# Altium PCB R3P900.PcbDoc
Units mil, origin at the board's own origin, x right, y up, seen from the top; angles counter-clockwise.
Board outline 3937.01 x 3937.01 mil, 2 copper layers (Top Layer, Bottom Layer); 70 components, 44 nets, 217 pads, 57 vias.
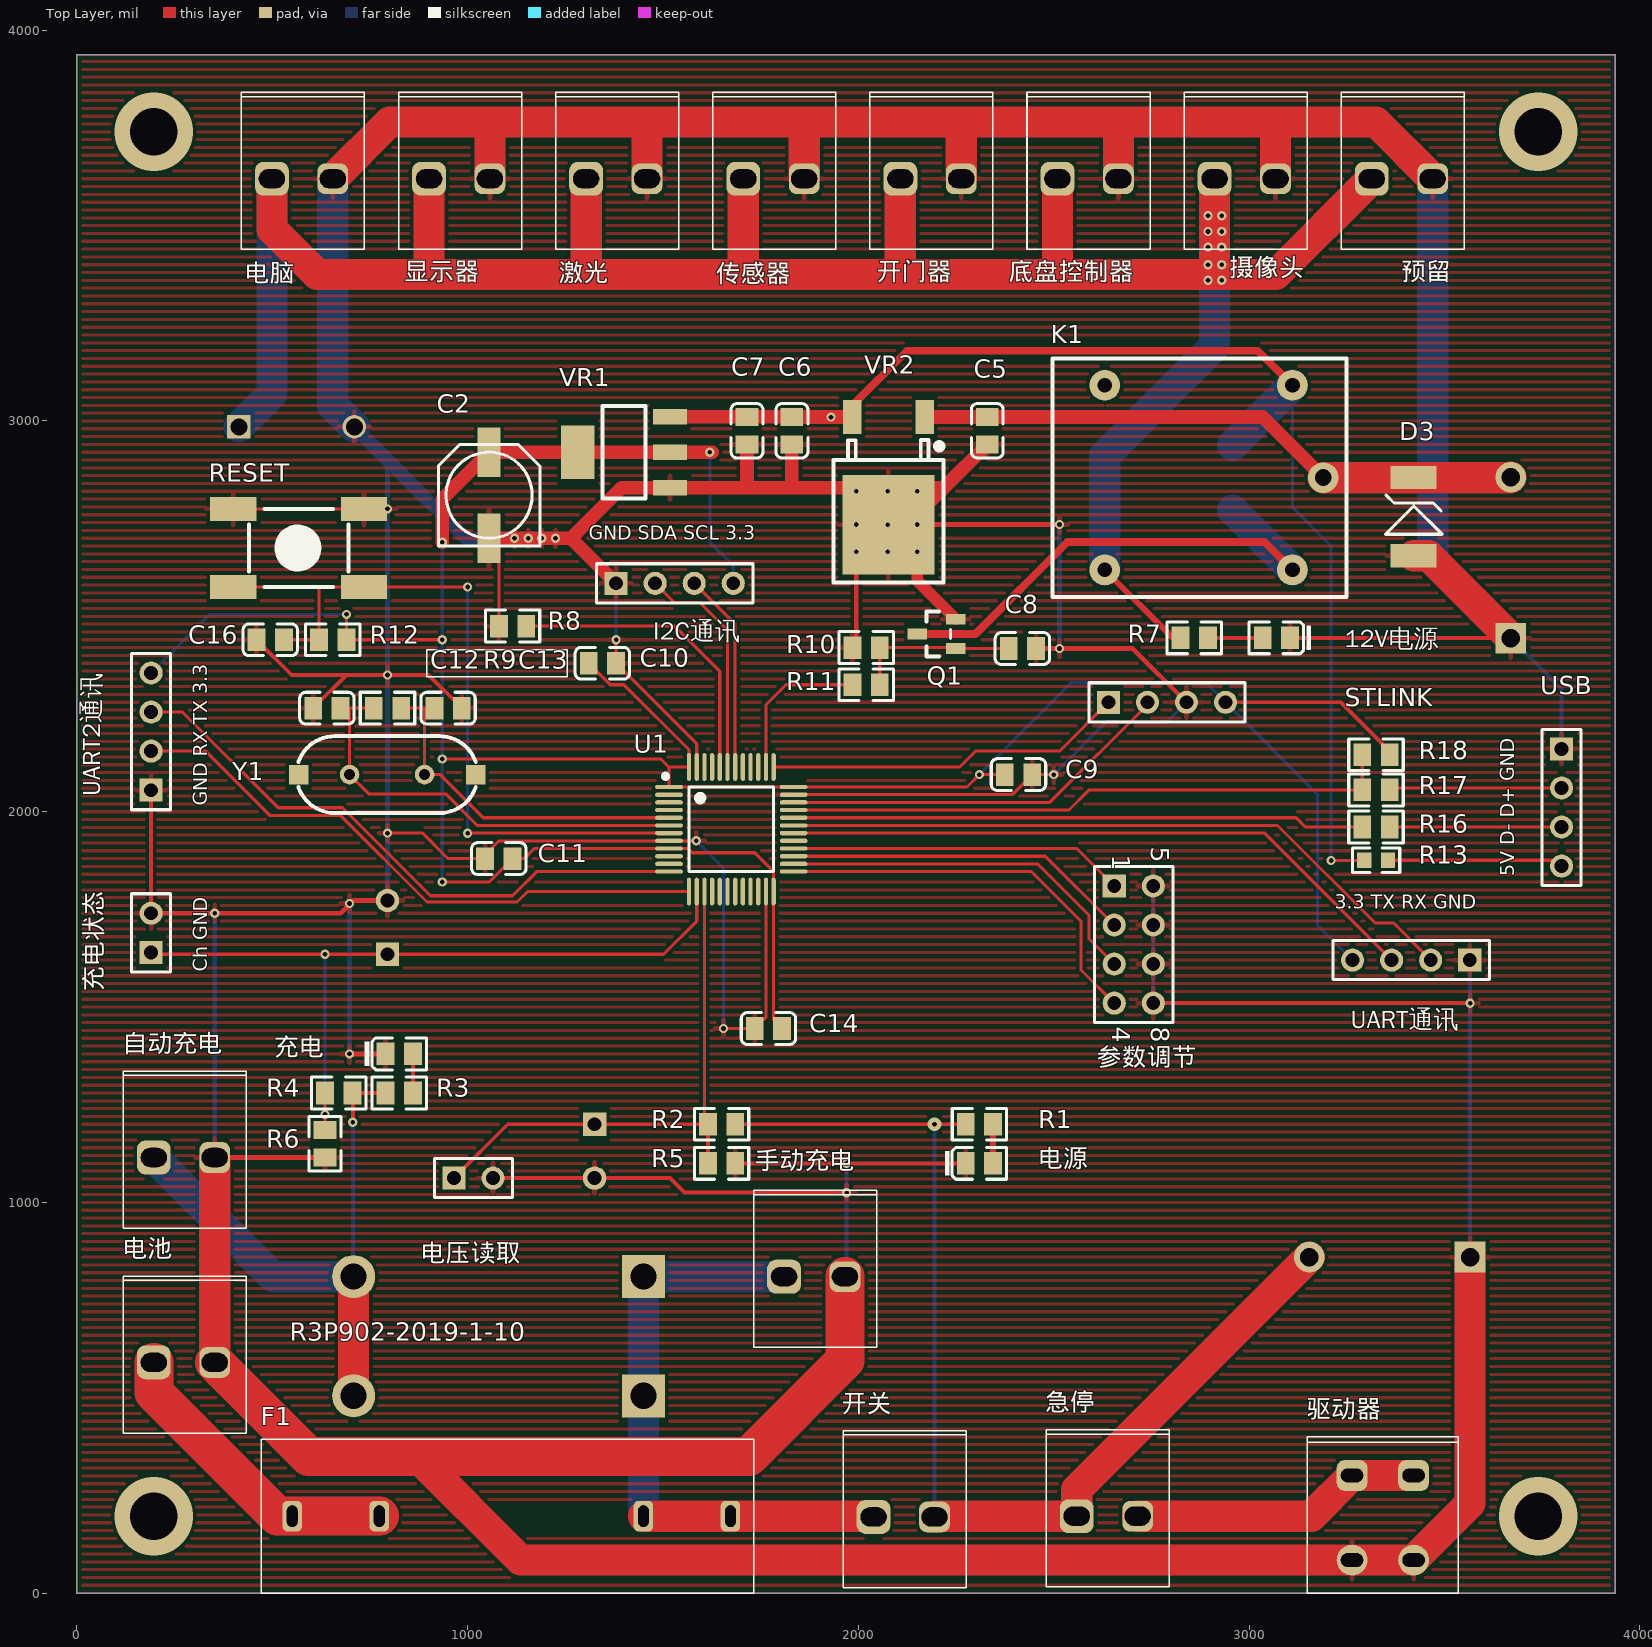
[diagram p0: Top Layer view]
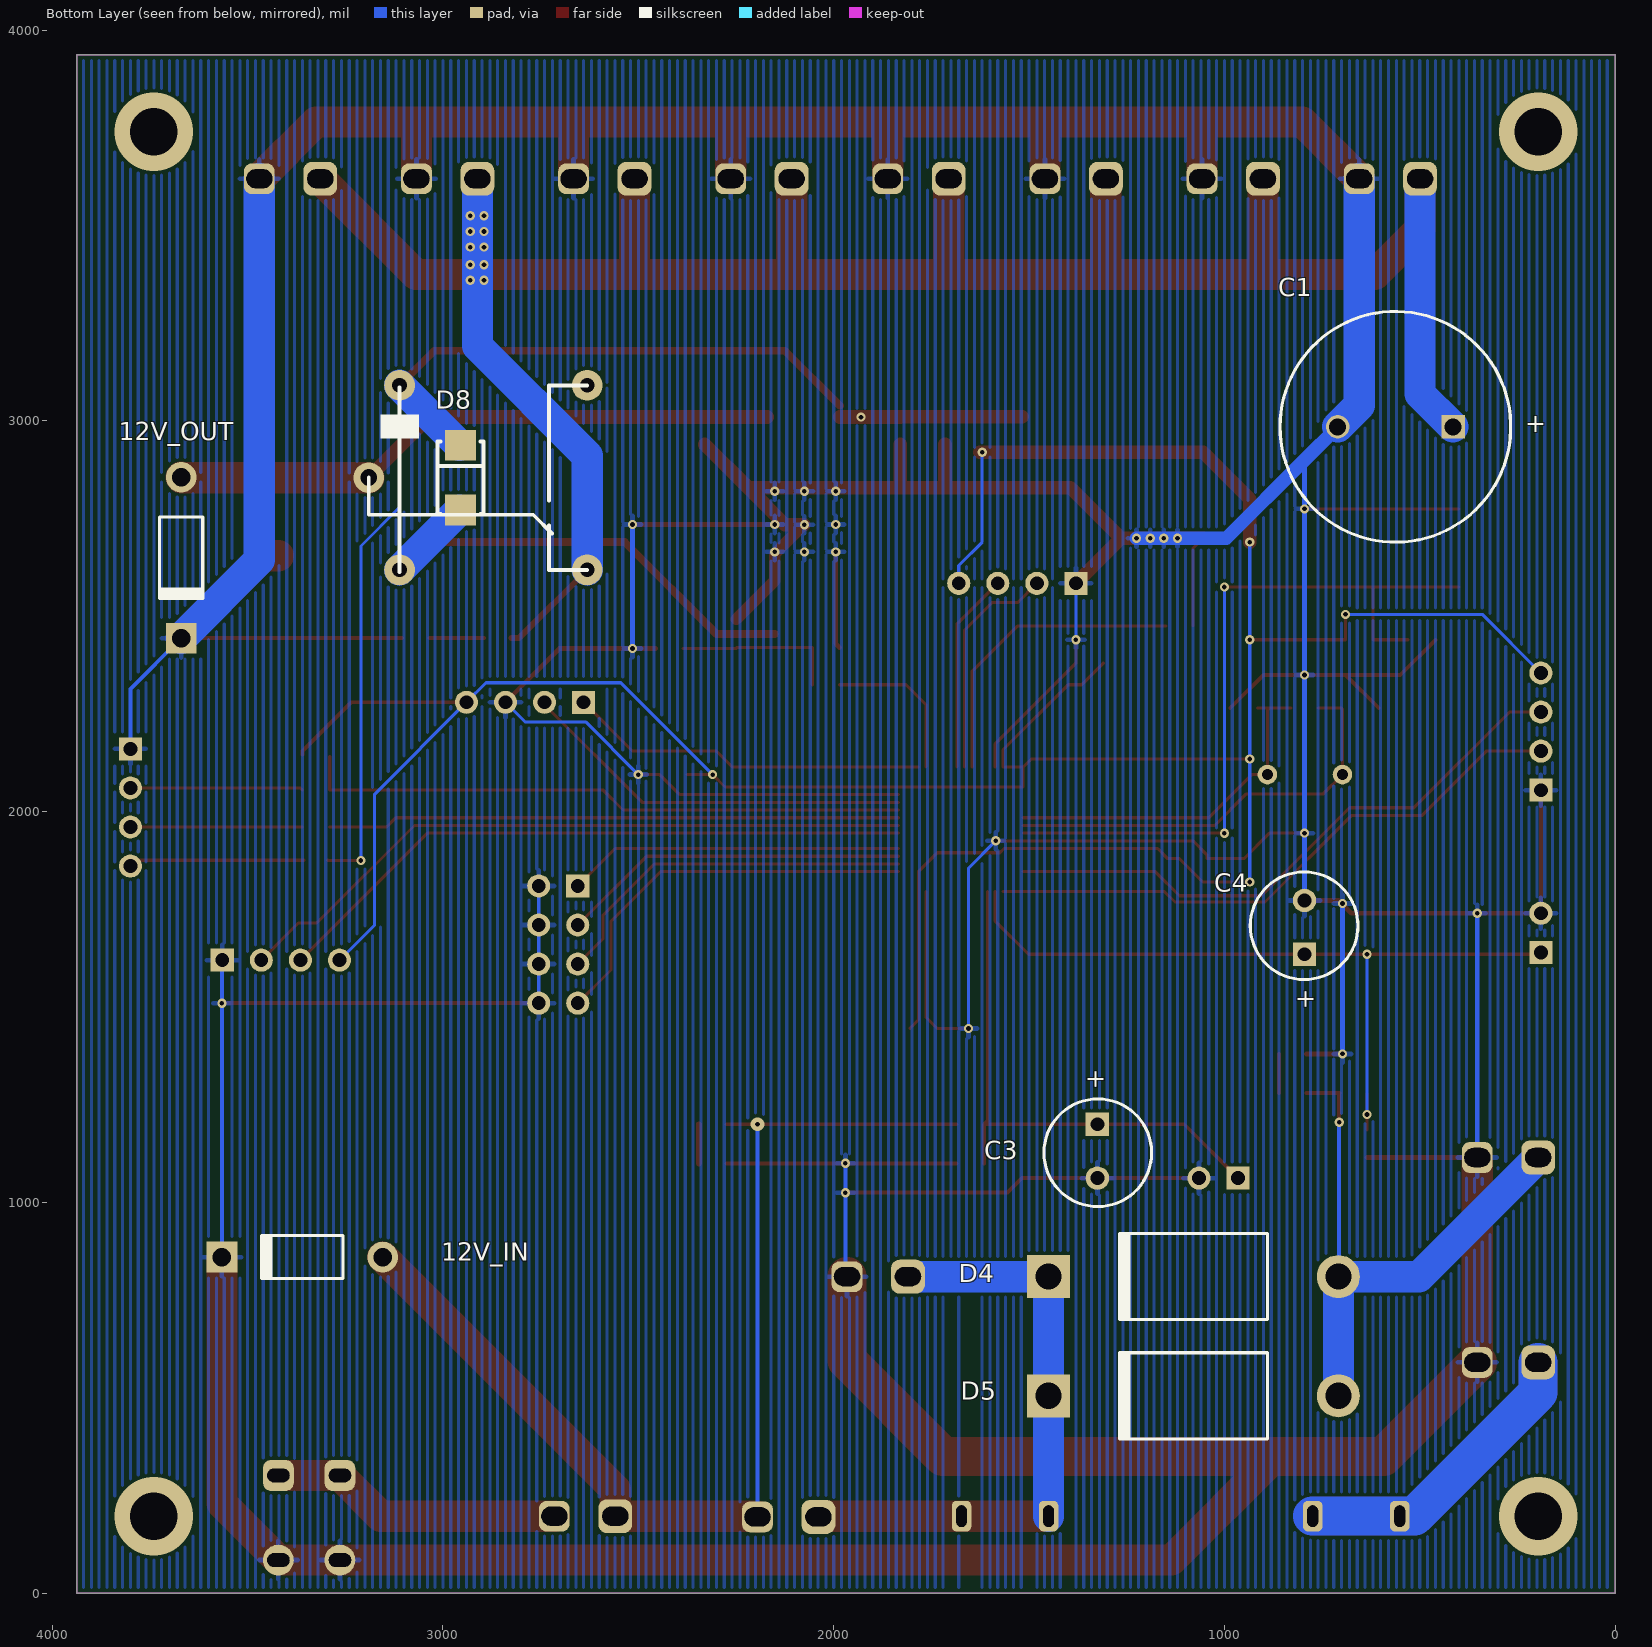
[diagram p1: Bottom Layer view, seen from below]
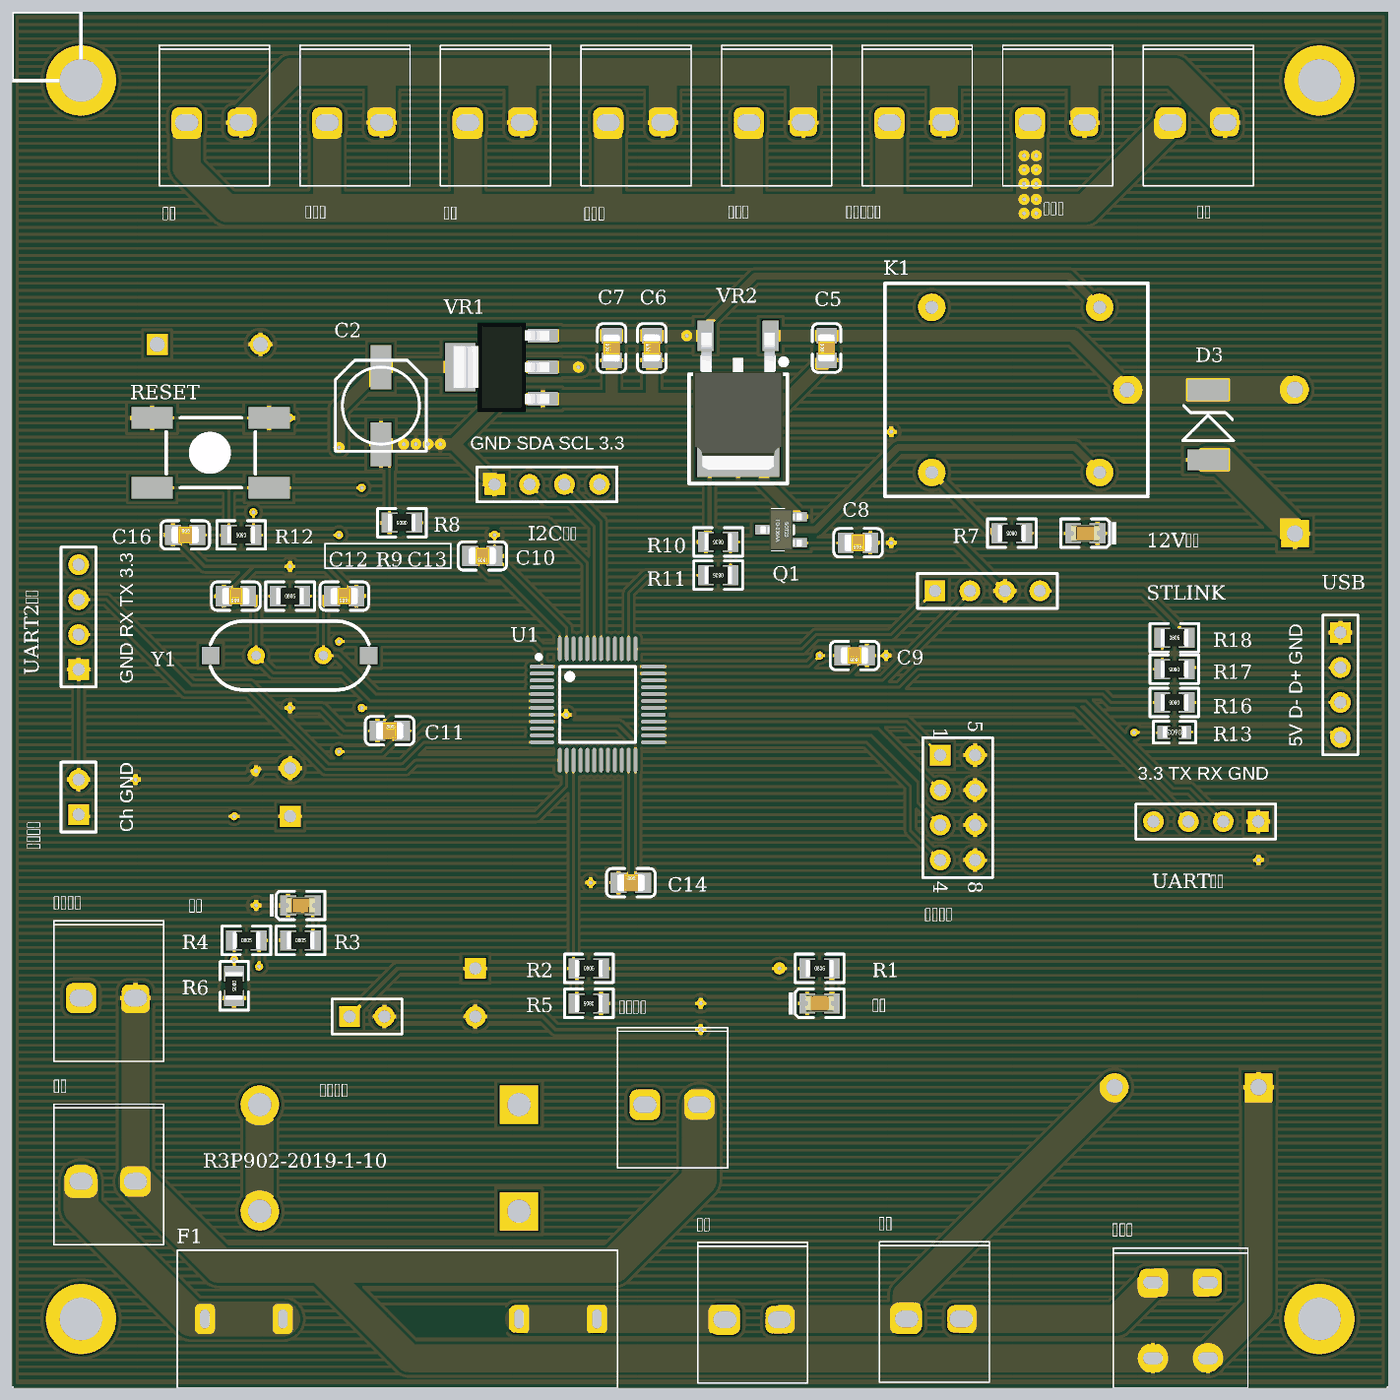
[diagram p2: 3D render of the assembled board from above, using the file's embedded part models]

## Layer stack, top to bottom
Top Solder: solder mask 0.4, Solder Resist, Dk 3.5
Top Layer: signal copper 1.4
Dielectric 1: dielectric 12.6, FR-4, Dk 4.8
Bottom Layer: signal copper 1.4
Bottom Solder: solder mask 0.4, Solder Resist, Dk 3.5

## Board outline
0,0 0,3937.01 3937.01,3937.01 3937.01,0

## Design rules (kind name [scope] priority, off if disabled: settings)
Clearance [All] p1: gap=8 ignorepadtopadclearanceinfootprint=FALSE
PlaneClearance [All] p1: clearance=50
PolygonConnect [All] p1: connectstyle=Relief reliefconductorwidth=12 reliefentries=4 polygonreliefangle="90 Angle" airgapwidth=10
RoutingVias [All] p1: holewidth=28 width=50 viastyle="Through Hole" minholewidth=28 minwidth=50 maxholewidth=28 maxwidth=50
SolderMaskExpansion [All] p1: expansion=4
Width [All] p1: maxlimit=200 minlimit=8 preferedwidth=50
29 further rules are at their usual default settings.

## Components (designator, comment, footprint, x,y, rotation, side; value= is the part's Value field where it differs from the comment)
12V_IN "Diode 11DQ03" DO-204AL 3360,860 r0 bottom locked
12V_OUT "Diode 11DQ03" DO-204AL 3670,2650 r270 bottom locked
12V电源 "红灯 0805" LC-0805_LED_S1 3070,2445 r180 top locked
C1 "Cap" Cap-DIP-10.0 414.72,2985 r180 bottom locked
C2 "22uF" CC6.56.5 1055,2810 r270 top locked
C3 "Cap" CAP-DIP-3.5 1325,1200 r90 bottom locked
C4 "Cap" CAP-DIP-3.5 795,1635 r270 bottom locked
C5 "330nF (334) 10% 50V" LC-0805_C 2330,2975 r90 top locked
C6 "100nF(104) 10% 50V" LC-0805_C 1830,2975 r90 top locked
C7 "10uF (106) 10% 25V" LC-0805_C 1715,2974.8 r90 top locked
C8 "1uF (105) 10% 50V" LC-0805_C 2420.04,2417.6 r180 top locked
C9 "1uF (105) 10% 50V" LC-0805_C 2410,2095 r180 top locked
C10 "100nF(104) 10% 50V" LC-0805_C 1345,2380 r180 top locked
C11 "100nF(104) 10% 50V" LC-0805_C 1080,1880 r0 top locked
C12 "22pF (220) 5% 50V" LC-0805_C 639.96,2265 r180 top locked
C13 "22pF (220) 5% 50V" LC-0805_C 950,2265 r180 top locked
C14 "100nF(104) 10% 50V" LC-0805_C 1770,1445 r0 top locked
C16 "100nF(104) 10% 50V" LC-0805_C 494.96,2440 r0 top locked
D3 "SMBJ12A" SMBJ 3421.26,2750 r90 top locked
D4 "Diode 1N5408" DO-201AD 1079.13,810 r0 bottom locked
D5 "Diode 1N5408" DO-201AD 1079.13,505 r0 bottom locked
D8 "SS210" LC-SMA(DO-214AC)_S1 2955,2855 r270 bottom locked
F1 "Fuse" Fuse 472.44,0 r0 top locked
I2C通讯 "Header 4" HDR1X4 1380,2584.53 r0 top locked (schematic designator I2CͨѶ)
K1 "Relay" JDQ-SRD-5DC 2875,2855 r90 top locked
Q1 "SS8050 Y1" LC-SOT-23(SOT-23-3) 2200,2455 r0 top locked
R1 "20KΩ (2002) ±1%" LC-0805_R 2310.04,1200 r0 top locked
R2 "50KΩ (5002) ±1%" LC-0805_R 1650,1200 r0 top locked
R3 "20KΩ (2002) ±1%" LC-0805_R 825,1279.96 r0 top locked
R4 "50KΩ (5002) ±1%" LC-0805_R 670,1280 r0 top locked
R5 "10KΩ (1002) ±1%" LC-0805_R 1650,1100 r180 top locked
R6 "10KΩ (1002) ±1%" LC-0805_R 635,1150 r270 top locked
R7 "10KΩ (1002) ±1%" LC-0805_R 2860,2445 r180 top locked
R8 "10KΩ (1002) ±1%" LC-0805_R 1115,2475 r180 top locked
R9 "10MΩ (1005) ±1%" LC-0805_R 794.96,2265 r0 top locked
R10 "10KΩ (1002) ±1%" LC-0805_R 2020,2420 r180 top locked
R11 "1KΩ (1001) ±1%" LC-0805_R 2020,2325 r180 top locked
R12 "10KΩ (1002) ±1%" LC-0805_R 655,2440 r180 top locked
R13 "0Ω (0R0) ±1%" LC-0603_R 3325.32,1875.79 r180 top locked
R16 "10Ω (10R0) ±1%" LC-0805_R 3325,1960.79 r180 top locked
R17 "10Ω (10R0) ±1%" LC-0805_R 3325,2055.79 r180 top locked
R18 "1.5KΩ (1501) ±1%" LC-0805_R 3325,2145.79 r0 top locked
RESET "KEY_M" KEY_M 735,2575 r180 top locked
STLINK "Header 4" HDR1X4 2640,2280 r0 top locked
U1 "STM32F103C8T6" LC-LQFP-48_7x7x05P 1675,1955 r270 top locked
UART2通讯 "Header 4" HDR1X4 190,2055 r90 top locked (schematic designator UART2ͨѶ)
UART通讯 "Header 4" HDR1X4 3565,1620 r180 top locked (schematic designator UARTͨѶ)
USB "Header 4" HDR1X4 3800,2160.79 r270 top locked
VR1 "AMS1117-3.3" LC-SOT-223 1400,2920 r0 top locked
VR2 "L78M05ABDT-TR" LC-TO-252-2-180 2077.04,3010 r270 top locked
Y1 "8MHz" XTAL_US 697.87,2095 r0 top locked
传感器 "Header 2" "VH-2A - Circle Hole" 1705.52,3620 r0 top locked
充电 "红灯 0805" LC-0805_LED_S1 825,1380 r0 top locked
充电状态 "Header 2" HDR1X2 190,1640 r90 top locked
参数调节 "Header 4X2A" HDR2X4_CEN 2655,1810 r270 top locked
底盘控制器 "Header 2" "VH-2A - Circle Hole" 2509.81,3620 r0 top locked
开关 "Header 2" "VH-2A - Circle Hole" 2039.09,195 r0 top locked
开门器 "Header 2" "VH-2A - Circle Hole" 2107.67,3620 r0 top locked
急停 "Header 2" "VH-2A - Circle Hole" 2559.06,196.85 r0 top locked
手动充电 "Header 2" "VH-2A - Circle Hole" 1810,810 r0 top locked
摄像头 "Header 2" "VH-2A - Circle Hole" 2911.95,3620 r0 top locked
显示器 "Header 2" "VH-2A - Circle Hole" 901.24,3620 r0 top locked
激光 "Header 2" "VH-2A - Circle Hole" 1303.38,3620 r0 top locked
电压读取 "Header 2" HDR1X2 965,1062.2 r0 top locked
电池 "Header 2" "VH-2A - Circle Hole" 196.85,590.55 r0 top locked
电源 "红灯 0805" LC-0805_LED_S1 2310,1100 r0 top
电脑 "Header 2" "VH-2A - Circle Hole" 499.09,3620 r0 top locked
自动充电 "Header 2" "VH-2A - Circle Hole" 196.85,1115 r0 top locked
预留 "Header 2" "VH-2A - Circle Hole" 3314.09,3620 r0 top locked
驱动器 "插座" "HEADER 2X2" 3149.61,0 r0 top locked

## Footprints (in the part's own frame and the unit in brackets; to place one, negate y for a bottom-side part, rotate by r counter-clockwise, add the part's x,y. Pads: shape width x height; smd on the part's side, far side on the other; paste and mask are expansions set on the pad)
CAP-DIP-3.5 [mil]
  rect 60x60 hole 35.43: 1(0,0)
  round 60 hole 35.43: 2(-137.8,0)
  silkscreen extent -211,-139 65,137
Cap-DIP-10.0 [mil] "100mil_DIP"
  rect 60x60 hole 43.31: 1(0,0)
  round 60 hole 43.31: 2(-295.28,0)
  silkscreen extent -443,-295 147,295
CC6.56.5 [mm]
  rect 3.2x1.5 smd: 1(-2.794,0) 2(2.8,0)
  silkscreen extent -3.3,-3.3 3.3,3.3
DO-201AD [mm] "Diode, Axial; Body 9.5 x 5.6 mm (LxDia. max), Lead Dia. 1.32 mm (max)"
  round 2.8 hole 1.7: 1(-9.42,0)
  rect 2.8x2.8 hole 1.7: 2(9.42,0)
  silkscreen extent -4.8,-2.8 4.9,2.8
DO-204AL [mm] "Diode, Axial; Body 5.2 x 2.7 mm (LxDia. max), Lead Dia. 0.86 mm (max)"
  round 2 hole 1.2: 1(-5.23,0)
  rect 2x2 hole 1.2: 2(5.23,0)
  silkscreen extent -2.65,-1.4 2.75,1.4
Fuse [mm] "直插保险丝夹"
  rrect50% 1.27x2 hole 1.4 slot 0.7 at 0 deg: 1(2,5) 1(7.66,5) 2(24.83,5) 2(30.49,5)
  silkscreen extent 0,0 32,10
HDR1X2 [mm] "Connector; Header; 2 Position"
  rect 1.5x1.5 hole 0.9: 1(0,0)
  round 1.5 hole 0.9: 2(2.54,0)
  silkscreen extent -1.27,-1.27 3.81,1.27
HDR1X4 [mm] "Connector; Header; 4 Position"
  rect 1.5x1.5 hole 0.9: 1(0,0)
  round 1.5 hole 0.9: 2(2.54,0) 3(5.08,0) 4(7.62,0)
  silkscreen extent -1.27,-1.27 8.89,1.27
HDR2X4_CEN [mm] "Connector; Header; 4x2 Position"
  rect 1.5x1.5 hole 0.9: 1(0,0)
  round 1.5 hole 0.9: 2(2.54,0) 3(5.08,0) 4(7.62,0) 5(0,2.54) 6(2.54,2.54) 7(5.08,2.54) 8(7.62,2.54)
  silkscreen extent -1.27,-1.27 8.89,3.81
"HEADER 2X2" [mm] "Header 2X2"
  rrect50% 2x2 hole 0.9 slot 1.45 at 0 deg: 1(2.9,7.65) 3(6.9,7.65)
  round 2 hole 0.9 slot 1.45 at 0 deg: 2(2.9,2.15) 4(6.9,2.15)
  silkscreen extent 0,0 9.8,10.16
JDQ-SRD-5DC [mm] "JDQ-SRD-5DC"
  round 2 hole 0.95: 1(-6,-6) 2(6,-6) 4(6,6.2) 5(-6,6.2)
  round 2 hole 1.1: 3(0,-8)
  silkscreen extent -7.75,-9.5 7.75,9.6, body extent 0,0 0,0, height 0.25
KEY_M [mm]
  rect 3x1.575 smd: 1(0,0) 1(8.5,0) 2(0,-5.08) 2(8.5,-5.08)
  silkscreen extent 1,-5.08 7.48,0
LC-0603_R [mm]
  rect 0.93x0.98 smd: 1(-0.77,0) 2(0.77,0)
  silkscreen extent -1.53,-0.79 1.54,0.79, body extent -0.85,-0.4 0.85,0.4, height 0.56
LC-0805_C [mm]
  rect 1.16x1.47 smd: 1(-0.89,0) 2(0.89,0)
  silkscreen extent -1.77,-1.04 1.77,1.04, body extent -1,-0.62 1,0.63, height 0.77
LC-0805_LED_S1 [mm]
  rect 1.16x1.47 smd: A(0.89,0) K(-0.89,0)
  silkscreen extent -2.25,-1.04 1.77,1.03, body extent -1.01,-0.62 1.01,0.62, height 1.1
LC-0805_R [mm]
  rect 1.16x1.47 smd: 1(-0.89,0) 2(0.89,0)
  silkscreen extent -1.77,-1.04 1.77,1.03, body extent -1,-0.62 1,0.63, height 0.49
LC-LQFP-48_7x7x05P [mm]
  oval 0.28x1.8 smd mask+0.051: 1(-2.75,-4.05) 2(-2.25,-4.05) 3(-1.75,-4.05) 4(-1.25,-4.05) 5(-0.75,-4.05) 6(-0.25,-4.05) 7(0.25,-4.05) 8(0.75,-4.05) 9(1.25,-4.05) 10(1.75,-4.05) 11(2.25,-4.05) 12(2.75,-4.05) 25(2.75,4.05) 26(2.25,4.05) 27(1.75,4.05) 28(1.25,4.05) 29(0.75,4.05) 30(0.25,4.05) 31(-0.25,4.05) 32(-0.75,4.05) 33(-1.25,4.05) 34(-1.75,4.05) 35(-2.25,4.05) 36(-2.75,4.05)
  oval 1.8x0.28 smd mask+0.051: 13(4.05,-2.75) 14(4.05,-2.25) 15(4.05,-1.75) 16(4.05,-1.25) 17(4.05,-0.75) 18(4.05,-0.25) 19(4.05,0.25) 20(4.05,0.75) 21(4.05,1.25) 22(4.05,1.75) 23(4.05,2.25) 24(4.05,2.75) 37(-4.05,2.75) 38(-4.05,2.25) 39(-4.05,1.75) 40(-4.05,1.25) 41(-4.05,0.75) 42(-4.05,0.25) 43(-4.05,-0.25) 44(-4.05,-0.75) 45(-4.05,-1.25) 46(-4.05,-1.75) 47(-4.05,-2.25) 48(-4.05,-2.75)
  silkscreen extent -3.6,-4.42 2.75,2.75
LC-SMA(DO-214AC)_S1 [mm]
  rect 2x2 smd: 1(2.1,0) 2(-2.1,0)
  silkscreen extent -2.35,-1.5 2.35,1.5
LC-SOT-23(SOT-23-3) [mm]
  rect 1.25x0.7 smd: 1(1.25,-0.95) 2(1.25,0.95) 3(-1.25,0)
  silkscreen extent -0.65,-1.46 0.9,1.46, body extent -1.5,-1.5 1.5,1.5, height 1.3
LC-SOT-223 [mm]
  rect 2.2x1 smd: 1(3,-2.3) 2(3,0) 3(3,2.3)
  rect 2.2x3.5 smd: 2(-3,0)
  silkscreen extent -1.4,-3 1.4,3, body extent -3.49,-3.24 3.49,3.24, height 1.64
LC-TO-252-2-180 [mm] "180度编带包装"
  rect 2.2x1.2 smd: 1(0,2.361) 3(0.004,-2.361)
  rect 6.5x6 smd: 2(7,0)
  silkscreen extent 1.5,-3.57 10.75,3.57, body extent -0.2,-3.27 9.74,3.27, height 2.44
SMBJ [mm]
  rect 1.5x3 smd: 1(-2.413,0) 2(2.667,0)
  silkscreen extent -1.02,-1.85 1.52,1.83
"VH-2A - Circle Hole" [mm] "Header 2 use for Power"
  rrect50% 2.2x2.2 hole 1.24 slot 1.7 at 0 deg: 1(0,0)
  rrect50% 2x2 hole 1.24 slot 1.7 at 0 deg: 2(3.96,0)
  silkscreen extent -1.98,-4.6 6.02,5.61
XTAL_US [mil]
  round 50 hole 28: 1(0,0) 2(192.13,0)
  rect 50x50 smd: ""(-130.32,0) ""(322.44,0)
  silkscreen extent -131,-98 323,98

## Part data
12V_IN 12V_OUT: "Schottky Rectifier", Code_JEDEC=DO-204-AL, ComponentLink1Description="Manufacturer Link", ComponentLink1URL=http://www.irf.com/, ComponentLink2Description=Datasheet, ComponentLink2URL=http://www.irf.com/product-info/datasheets/data/11dq03.pdf, DatasheetVersion=Dec-1997, LatestRevisionDate=17-Jul-2002, LatestRevisionNote="Re-released for DXP Platform.", PackageDescription="Diode, Axial; Body 5.2 x 2.7 mm (LxDia. max), Lead Dia. 0.86 mm (max)", PackageReference=DO-204AL, Published=8-Jun-2000, Publisher="Altium Limited"
12V电源 充电 电源: library part "0805 红灯", "发光二极管", Package=0805, SuppliersPartNumber=C2295, ComponentLink1Description=供应商链接, ComponentLink1URL=http://www.szlcsc.com/product/details_2668.html, Supplier=LC
C1 C3 C4: library part Cap_DIP, "Cap_DIP"
C2: library part CAP
C5: library part "0805 330nF (334) 10% 50V", "贴片电容", Package=0805, SuppliersPartNumber=C1740, ComponentLink1Description=供应商, ComponentLink1URL=http://www.szlcsc.com/product/details_2092.html, Supplier=LC
C6 C10 C11 C14 C16: library part "0805 100nF(104) 10% 50V", "贴片电容", Package=0805, SuppliersPartNumber=C49678, ComponentLink1Description=供应商, ComponentLink1URL=http://www.szlcsc.com/product/details_50686.html, Supplier=LC
C7: library part "0805 10uF (106) 10% 25V", "贴片电容", Package=0805, SuppliersPartNumber=C15850, ComponentLink1Description=供应商, ComponentLink1URL=http://www.szlcsc.com/product/details_16532.html, Supplier=LC
C8 C9: library part "0805 1uF (105) 10% 50V", "贴片电容", Package=0805, SuppliersPartNumber=C28323, ComponentLink1Description=供应商, ComponentLink1URL=http://www.szlcsc.com/product/details_29074.html, Supplier=LC
C12 C13: library part "0805 22pF (220) 5% 50V", "贴片电容", Package=0805, SuppliersPartNumber=C1804, ComponentLink1Description=供应商, ComponentLink1URL=http://www.szlcsc.com/product/details_2156.html, Supplier=LC
D3: library part SMBJ, "TVS"
D4 D5: "3 Amp Medium Power Silicon Rectifier Diode", ComponentLink1Description="Manufacturer Link", ComponentLink1URL=http://www.irf.com/, DatasheetVersion=Aug-1984, LatestRevisionDate=17-Jul-2002, LatestRevisionNote="Re-released for DXP Platform.", PackageDescription="Diode, Axial; Body 9.5 x 5.3 mm (LxDia. max), Lead Dia. 1.32 mm (max)", PackageReference=DO-201AD, Published=8-Jun-2000, Publisher="Altium Limited"
D8: library part "SMA(DO-214AC) SS210", "二极管", Package=SMA(DO-214AC), SuppliersPartNumber=C14996, ComponentLink1Description=供应商, ComponentLink1URL=http://www.szlcsc.com/product/details_15669.html, Supplier=LC
F1: library part FUSE, "Fuse-DIP"
I2C通讯 STLINK UART2通讯 UART通讯 USB: "Header, 4-Pin", LatestRevisionDate=17-Jul-2002, LatestRevisionNote="Re-released for DXP Platform.", Publisher="Altium Limited"
K1: library part JDQ-SRD-5DC
Q1: library part "SOT-23 SS8050 Y1", "三极管", Package=SOT-23, SuppliersPartNumber=C2150, ComponentLink1Description=供应商, ComponentLink1URL=http://www.szlcsc.com/product/details_2507.html, Supplier=LC
R1 R3: library part "0805 20KΩ (2002) 1%", "贴片电阻", Package=0805, SuppliersPartNumber=C4328, ComponentLink1Description=供应商链接, ComponentLink1URL=http://www.szlcsc.com/product/details_4735.html, Supplier=LC
R2 R4 R5 R6 R7 R8 R10 R12: library part "0805 10KΩ (1002) 1%", "贴片电阻", Package=0805, SuppliersPartNumber=C17414, ComponentLink1URL=http://www.szlcsc.com/product/details_18102.html, Supplier=LC
  R2 R4 R5 R6 R7: ComponentLink1Description=供应商链接
  R8 R10 R12: ComponentLink1Description=供应商
R9: library part "0805 10MΩ (1005) 1%", "贴片电阻", Package=0805, SuppliersPartNumber=C26108, ComponentLink1Description=供应商, ComponentLink1URL=http://www.szlcsc.com/product/details_26851.html, Supplier=LC
R11: library part "0805 1KΩ (1001) 1%", "贴片电阻", Package=0805, SuppliersPartNumber=C17513, ComponentLink1Description=供应商, ComponentLink1URL=http://www.szlcsc.com/product/details_18201.html, Supplier=LC
R13: library part "0603 0Ω (0R0) 1%", "贴片电阻", Package=0603, SuppliersPartNumber=C21189, ComponentLink1Description=供应商, ComponentLink1URL=http://www.szlcsc.com/product/details_21903.html, Supplier=LC
R16 R17: library part "0805 10Ω (10R0) 1%", "贴片电阻", Package=0805, SuppliersPartNumber=C17415, ComponentLink1Description=供应商, ComponentLink1URL=http://www.szlcsc.com/product/details_18103.html, Supplier=LC
R18: library part "0805 1.5KΩ (1501) 1%", "贴片电阻", Package=0805, SuppliersPartNumber=C4310, ComponentLink1Description=供应商, ComponentLink1URL=http://www.szlcsc.com/product/details_4717.html, Supplier=LC
U1: "ARM", Package=LQFP-48_7x7x05P, SuppliersPartNumber=C8734, ComponentLink1Description=供应商, ComponentLink1URL=http://www.szlcsc.com/product/details_9243.html, Supplier=LC
VR1: library part "SOT-223 AMS1117-3.3", "低压差线性稳压(LDO)", Package=SOT-223, SuppliersPartNumber=C6186, ComponentLink1Description=供应商, ComponentLink1URL=http://www.szlcsc.com/product/details_6652.html, Supplier=LC
VR2: library part "TO-252-2 L78M05ABDT-TR", "低压差线性稳压(LDO)", Package=TO-252-2, SuppliersPartNumber=C58069, ComponentLink1Description=供应商, ComponentLink1URL=http://www.szlcsc.com/product/details_59107.html, Supplier=LC
Y1: library part XTAL, "Crystal Oscillator", LatestRevisionDate=17-Jul-2002, LatestRevisionNote="Re-released for DXP Platform.", Published=8-Jun-2000, Publisher="Altium Limited"
传感器 底盘控制器 开关 开门器 急停 手动充电 摄像头 显示器 激光 电池 电脑 自动充电 预留: "贴片2p座"
充电状态 电压读取: "Header, 2-Pin", LatestRevisionDate=17-Jul-2002, LatestRevisionNote="Re-released for DXP Platform.", Publisher="Altium Limited"
参数调节: "Header, 4-Pin, Dual row", LatestRevisionDate=17-Jul-2002, LatestRevisionNote="Re-released for DXP Platform.", Publisher="Altium Limited"
驱动器: library part HEADER_2X2

## Via types
v1: diameter 23.62, hole 11.81, Top Layer to Bottom Layer, 52 vias
v2: diameter 200.79, hole 122.05, Top Layer to Bottom Layer, 4 vias
v3: diameter 35, hole 12, Top Layer to Bottom Layer, 1 vias

## Nets (pads, with @x,y where several pads share a name; then routed paths per layer and width w, separated by ;. In a path a pad name is that pad's centre, name@x,y a point inside that pad or via, vN(x,y) a via of type N, cw(c..) or ccw(c..) an arc to the next point about the centre after c; other vN are vias at no path point)
12V_IN: 12V_OUT.1 C5.2 D3.2 K1.3 VR2.1 | length 1564.6
  Top Layer w35: VR2.1 VR2.1 C5.2 3034.92,3010.04 K1.3
  Top Layer w80: K1.3 D3.2 3669.09,2855 12V_OUT.1
+3.3: C2.1 C9.2 C10.2 C11.2 C14.2 I2C通讯.4 R12.1 R18.2 STLINK.4 U1.1 U1.9 U1.24 U1.36 U1.48 UART2通讯.4 UART通讯.4 VR1.2 | length 8252
  Top Layer w8: v1(690.04,2505) R12.1 v1(935,2440) ; v1(935,1820) 1055.04,1820 C11.2 1145,1880 1170.79,1905.79 U1.9 1564.17,1905.79 1574.96,1895 1735,1895 1783.27,1846.73 U1.24 1783.27,1466.77 C14.2 ; v1(935,2135) 1494.41,2135 1515.55,2113.86 ; C10.2 1364.96,2325 1400,2325 1566.73,2158.27 U1.48 1516.14,2114.45 1515.55,2113.86 ; C9.2 v1(2310,2095) 2278.27,2063.27 U1.36 U1.1 1515.55,2113.86
  Top Layer w10: STLINK.4 3235,2280 3360.04,2154.96 R18.2
  Top Layer w35: v1(935,2690) 935,2800 C2.1 1281.89,2920 1518.11,2920 v1(1620,2920) v1@1625.79,2920
  Bottom Layer w8: UART2通讯.4 340,2505 v1(690.04,2505) ; v1(935,1820) v1(935,2135) v1(935,2440) v1(935,2690) ; v1(1620,2920) 1620,2690 1680,2630 I2C通讯.4 ; v1(2310,2095) 2545,2330 2890,2330 STLINK.4 3175,2045 3175,1710 UART通讯.4
+5: C6.2 C7.2 D8.2 K1.2 R13.2 VR1.3 VR2.3 | length 3247.9
  Top Layer w8: v1(3210,1875) 3294.21,1875 R13.2
  Top Layer w20: VR2.3@1984.07,3039.07 2125,3180 3022.44,3180 K1.2
  Top Layer w35: VR1.3 C6.2@1830,3010.55 ; C6.2 1983.87,3010.04 VR2.3
  Bottom Layer w8: K1.2 3111.22,2778.78 3210,2680 v1(3210,1875)
  Bottom Layer w80: D8.2@2957.68,2937.68 K1.2
  other v1: 1930,3010
+12: C1.1 K1.5 R7.2 传感器.1 底盘控制器.1 开门器.1 摄像头.1 显示器.1 激光.1 电脑.1 预留.1 | length 6624
  Top Layer w15: K1.5 2804.68,2445 R7.2
  Top Layer w80: 电脑.1 499.09,3490.91 615,3375 905,3375 ; 显示器.1 901.24,3378.76 905,3375 ; 激光.1 1303.38,3376.62 1305,3375 ; 传感器.1 1705.52,3375.52 1705,3375 ; 开门器.1 2107.67,3377.33 2110,3375 ; 底盘控制器.1 2509.81,3380.19 2515,3375 ; 摄像头.1 2911.95,3378.05 ; 预留.1 3069.09,3375 2915,3375 2911.95,3378.05 ; 905,3375 1305,3375 ; 1305,3375 1705,3375 ; 1705,3375 2110,3375 ; 2110,3375 2515,3375 ; 2515,3375 2911.95,3375 2911.95,3378.05
  Bottom Layer w80: C1.1 499.09,3069.37 电脑.1 ; K1.5 2630.91,2910.91 2911.95,3191.95 摄像头.1
  other v1: 2895,3360 2930,3360 2895,3400 2930,3400 2895,3445 2930,3445 2895,3485 2930,3485 2895,3525 2930,3525
+24_INCONTROL: D4.1 D5.1 R3.1 R4.2 自动充电.1 | length 1804
  Top Layer w10: v1(706.28,1205) 706.28,1278.76 R4.2 789.92,1280 R3.1
  Top Layer w80: D5.1 D4.1
  Bottom Layer w10: v1(706.28,1205) 706.28,811.99 D4.1
  Bottom Layer w80: 自动充电.1 501.85,810 D4.1 D5.1
+Motor: 急停.2 驱动器.1 驱动器.3 | length 749.5
  Top Layer w80: 急停.2 3159.45,196.85 驱动器.1 驱动器.3
ADC_IN6: U1.16
ADC_IN7: U1.17
ADC_IN8: U1.29
Battery: D4.2 D5.2 F1.2 开关.1 手动充电.1 | length 1563
  Top Layer w80: F1.2@1450,196.85 1672.83,196.85 2037.24,196.85 开关.1
  Bottom Layer w80: F1.2@1450,196.85 D5.2 D4.2 手动充电.1
Battery_IN: 12V_IN.1 R1.1 R2.2 开关.2 急停.1 | length 2869.4
  Top Layer w10: R2.2 v3(2195,1200) R1.1
  Top Layer w80: 开关.2 2196.85,196.85 急停.1 2559.06,264.96 12V_IN.1
  Bottom Layer w10: 开关.2 v3(2195,1200)
Battery_V: C3.1 R2.1 R5.2 U1.15 电压读取.1 | length 1406.3
  Top Layer w8: R2.1@1606.1,1208.86 U1.15
  Top Layer w10: 电压读取.1 1102.8,1200 C3.1 R2.1 ; R2.1@1606.1,1208.86 R2.1 ; R5.2 R2.1
BM0: U1.28 参数调节.1 | length 860.2
  Top Layer w8: U1.28 2559.21,1905.79 参数调节.1
BM1: U1.27 参数调节.2 | length 893.5
  Top Layer w8: U1.27 2478.9,1886.1 参数调节.2
BM2: U1.26 参数调节.3 | length 961.9
  Top Layer w8: U1.26 2458.58,1866.42 2590.79,1734.21 2590.79,1674.21 参数调节.3
BM3: U1.25 参数调节.4 | length 1033.3
  Top Layer w8: U1.25 2443.27,1846.73 2570,1720 2570,1595 参数调节.4
GND: 12V_IN.2 12V_OUT.2 12V电源.K C1.2 C2.2 C3.2 C4.2 C5.1 C6.1 C7.1 C8.1 C9.1 C10.1 C11.1 C12.2 C13.1 C14.1 C16.1 D3.1 I2C通讯.1 Q1.2 R5.1 R6.2 R8.2 R10.2 RESET.2 STLINK.3 U1.8 U1.23 U1.35 U1.47 UART2通讯.1 UART通讯.1 USB.1 VR1.1 VR2.2 传感器.2 充电.K 充电状态.2 参数调节.5 参数调节.6 参数调节.7 参数调节.8 底盘控制器.2 开门器.2 手动充电.2 摄像头.2 显示器.2 激光.2 电压读取.2 电池.2 电源.K 电脑.2 自动充电.2 预留.2 驱动器.2 驱动器.4 | length 29298.8
  Top Layer w8: RESET.2@400.35,2775 735,2775 v1(795,2775) ; v1(795,1945.16) 884.84,1945.16 950,1880 C11.1 1044.96,1889.96 1080.47,1925.47 U1.8 v1(1585.04,1925.47) ; C2.2 1079.96,2674.8 R8.2 ; v1(1380,2440) C10.1 C10.1 1586.42,2173.62 U1.47 ; v1(1655,1445) C14.1 1763.58,1473.62 U1.23 ; U1.35 2393.62,2043.58 C9.1 v1(2500,2095)
  Top Layer w10: 充电状态.2 UART2通讯.1 ; C16.1 459.92,2439.92 549.84,2350 689.84,2350 ; C12.2 604.92,2265.08 689.84,2350 ; C13.1 985.04,2265.08 900.12,2350 v1(795,2350) 689.84,2350 ; 电压读取.2 C3.2 1517.8,1062.2 1555,1025 v1@1965.91,1025 ; R5.1 v1(1970,1100) 电源.K ; 参数调节.8 v1(3565.91,1510) ; 12V电源.K 3669.09,2445 12V_OUT.2
  Top Layer w12: 充电状态.2 v1(352.76,1740) 675,1740 707.8,1772.8 C4.2 ; 自动充电.2 自动充电.2 R6.2 ; v1(697.87,1380) 充电.K 充电.K ; R10.2 1995,2430.04 v1(1995,2665) ; v1(2150.79,2735) v1(2515,2735) ; C8.1 v1(2515,2417.6) 2702.4,2417.6 STLINK.3
  Top Layer w30: VR2.2 2150.79,2660.66 2150.79,2590.83 Q1.2
  Top Layer w35: C2.2 v1(1120,2699.76) v1(1190,2699.76) v1(1225,2699.76) 1264.76,2699.76 ; I2C通讯.1 1264.76,2699.76 ; C7.1 1715,2829.45 ; C6.1 1830,2834.45 1825,2829.45 ; VR2.2 2124.45,2734.41 2219.49,2829.45 ; C5.1 2219.49,2829.45 ; 1264.76,2699.76 1394.45,2829.45 VR1.1 1715,2829.45 ; 1715,2829.45 1825,2829.45 ; 1825,2829.45 2219.49,2829.45
  Top Layer w80: 电池.2 自动充电.2 ; 电脑.2 800,3765 1050,3765 ; 870,350 1135.35,84.65 驱动器.2 驱动器.4 3565.91,229.29 12V_IN.2 ; 显示器.2 1057.14,3757.86 1050,3765 ; 激光.2 1459.29,3754.29 1470,3765 ; 传感器.2 1861.43,3758.57 1855,3765 ; 开门器.2 2263.57,3765 ; 底盘控制器.2 2665.71,3755.71 2675,3765 ; 摄像头.2 3067.86,3762.86 3070,3765 ; D3.1 3459.09,2655 12V_OUT.2@3669.09,2445 ; 预留.2 3325,3765 3070,3765 ; 1050,3765 1470,3765 ; 1470,3765 1855,3765 ; 1855,3765 2263.57,3765 ; 2263.57,3765 2675,3765 ; 2675,3765 3070,3765
  Top Layer w100: 电池.2 593.31,350 870,350 1720,350 1965.91,595.91 手动充电.2
  Bottom Layer w8: v1(1380,2440) I2C通讯.1 ; v1(1585.04,1925.47) 1655,1855.51 v1(1655,1445) ; v1(2500,2095) 2635,2230 2790,2230 STLINK.3
  Bottom Layer w10: 手动充电.2 1970,814.09 v1(1970,1025) v1(1970,1100) ; 参数调节.8 参数调节.7 参数调节.5 参数调节.6 ; UART通讯.1 3565.91,1619.09 v1(3565.91,1510) 12V_IN.2 ; 12V_OUT.2 3800,2314.09 USB.1
  Bottom Layer w12: 自动充电.2 v1(352.76,1740) ; v1(697.87,1380) v1(697.87,1765) ; C4.2 v1(795,1945.16) v1(795,2350) v1(795,2775) 795,2900 ; v1(2515,2417.6) v1@2515,2734.41
  Bottom Layer w35: C1.2 795,2900 995.24,2699.76 v1(1120,2699.76) v1(1190,2699.76) v1(1225,2699.76)
  Bottom Layer w80: 电脑.2 655,3040 C1.2 ; 预留.2 3470,2644.09 12V_OUT.2
  other v1: 2075,2665 2150.79,2665 1155,2700 2075,2734.41 1995,2735 1995,2820 2075,2820 2150.79,2820
IIC_SCL: I2C通讯.3 U1.42 | length 513.5
  Top Layer w8: I2C通讯.3 1684.84,2479.69 U1.42
IIC_SDA: I2C通讯.2 U1.43 | length 585.1
  Top Layer w8: I2C通讯.2 1529.53,2535 1595,2535 1665.16,2464.84 U1.43
In_Charge: C4.1 R4.1 R6.1 U1.14 充电状态.1 | length 2014.3
  Top Layer w8: 充电状态.1 195,1635 v1(635,1635) ; R4.1 R4.1 v1(635,1225) R6.1 ; v1(635,1635) v1(635,1635) ; U1.14 1586.42,1720 1501.42,1635 C4.1 v1(635,1635)
  Bottom Layer w8: v1(635,1225) v1(635,1635)
JQD: R11.2 U1.38 | length 401.8
  Top Layer w8: U1.38 1763.58,2273.58 1815,2325 R11.2
Net12V电源_A: 12V电源.A R7.1 | length 139.9
  Top Layer w10: R7.1 12V电源.A
NetC8_2: C8.2 Q1.1 R10.1 R11.1 | length 428.4
  Top Layer w8: R11.1 R10.1 Q1.1@2246.81,2420 ; Q1.1@2249.21,2420 Q1.1@2246.81,2420 ; C8.2 Q1.1 Q1.1@2246.81,2420
NetC12_1: C12.1 R9.1 U1.6 Y1.1 | length 1102.4
  Top Layer w8: R9.1 700,2265 697.87,2262.87 Y1.1 747.87,2045 945,2045 1025.16,1964.84 U1.6
NetC13_2: C13.2 R9.2 U1.5 Y1.2 | length 928.3
  Top Layer w8: R9.2 885,2265 ; C13.2 885,2265 ; U1.5 1040.47,1984.53 930,2095 Y1.2 890,2260 885,2265
NetD8_1: D8.1 K1.1 Q1.3 | length 1304.4
  Top Layer w20: Q1.3 2300,2455 2535,2690 3040,2690 K1.1
  Bottom Layer w80: D8.1@2957.68,2772.32 K1.1
NetF1_1: F1.1 电池.1 | length 1571.2
  Top Layer w100: 电池.1 196.85,513.15 513.15,196.85 551.18,196.85 F1.1@774.02,196.85
  Bottom Layer w100: 电池.1 196.85,513.15 513.15,196.85 551.18,196.85 F1.1@774.02,196.85
NetR1_2: R1.2 电源.A | length 100
  Top Layer w15: 电源.A 2345.08,1100.04 R1.2
NetR3_2: R3.2 充电.A | length 100
  Top Layer w10: R3.2 充电.A
NetR8_1: R8.1 U1.44 | length 788.2
  Top Layer w8: R8.1 1529.84,2475 1645.47,2359.37 U1.44
NetR13_1: R13.1 USB.4 | length 450.6
  Top Layer w8: R13.1 3785,1875.79 USB.4
NetR16_1: R16.1 USB.3 | length 440
  Top Layer w8: R16.1 USB.3
NetR17_1: R17.1 USB.2 | length 442
  Top Layer w8: R17.1 3365.04,2060.79 USB.2
NRST: C16.2 R12.2 RESET.1 U1.7 | length 1970.2
  Top Layer w8: RESET.1@400.35,2575 619.96,2575 ; C16.2 R12.2 619.96,2575 ; v1(1000,1945) 1429.69,1945 1429.84,1945.16 U1.7 ; v1(1000,2575) 735,2575 619.96,2575
  Bottom Layer w8: v1(1000,1945) v1(1000,2575)
SWCLK: STLINK.1 U1.37 | length 925.3
  Top Layer w8: U1.37 2259.45,2114.45 2300,2155 2515,2155 STLINK.1
SWDIO: STLINK.2 U1.34 | length 1015.2
  Top Layer w8: U1.34 2490,2023.9 2740,2273.9 STLINK.2
U_RX: U1.31 UART通讯.2 | length 1773.4
  Top Layer w8: U1.31 3072.95,1964.84 3322.8,1715 3370,1715 UART通讯.2
U_TX: U1.30 UART通讯.3 | length 1665.2
  Top Layer w8: U1.30 3039.84,1945.16 UART通讯.3
USART2_RX: U1.13 UART2通讯.2 | length 1547.6
  Top Layer w8: UART2通讯.2 330,2155 495,1990 675,1990 896,1769 1126.63,1769 1153.18,1795.55 U1.13
USART2_TX: U1.12 UART2通讯.3 | length 1545.8
  Top Layer w8: UART2通讯.3 270,2255 515,2010 680,2010 905,1785 1115,1785 1176.73,1846.73 U1.12
USART3_RX: U1.22
USART3_TX: U1.21
USB_D+: R17.2 R18.1 U1.33 | length 1561.9
  Top Layer w8: U1.33 2539.21,2004.21 2590.79,2055.79 R17.2 R18.1@3289.96,2140.79
USB_D-: R16.2 U1.32 | length 1465.3
  Top Layer w8: U1.32 3120.47,1984.53 3144.21,1960.79 R16.2
pads on no net: K1.4 U1.2 U1.3 U1.4 U1.10 U1.11 U1.18 U1.19 U1.20 U1.39 U1.40 U1.41 U1.45 U1.46 Y1.
copper on no net:
  other v2: 196.85,196.85 3740.16,196.85 196.85,3740.16 3740.16,3740.16

## Polygon pours and split planes (outlines as drawn)
GND on Bottom Layer (hatched Vertical grid 20 track 8, pour order 2): 0,3937.01 3937.01,3937.01 3937.01,15 3922.01,0 0,0
GND on Top Layer (hatched Horizontal grid 20 track 8, pour order 0): 0,3937.01 3937.01,3937.01 3937.01,15 3922.01,0 0,0

## Keep-outs
Keep-Out Layer:
  the board outline again, w3.94

## Silkscreen, mask and mechanical layers (free items; w line width, h text height)
Top Overlay:
  lines w3.94: 894.68,2345 895,2345.32 895,2415 1255,2415 1255,2345 894.68,2345
  text "GND SDA SCL 3.3" at 1310,2685 h60
  text "GND RX TX 3.3" at 345,2015 h60 r90
  text "5V D- D+ GND" at 3690,1835 h60 r90
  text "3.3 TX RX GND" at 3220,1740 h60
  text "Ch GND" at 345,1590 h60 r90
  text "R3P902-2019-1-10" at 545,630 h80

## Dimensions
196.85,3740.16 to 0,3937.01 on Top Overlay
196.85,3740.16 to 0,3937.01 on Top Overlay
0,0 to 3937.01,0 on Top Overlay
0,3937.01 to 0,0 on Top Overlay

## Text inside footprints (layer, text, board x,y; h text height)
C1: Bottom Overlay "+" at 229.72,2956 h80
C3: Bottom Overlay "+" at 1293,1288 h80 r270
C4: Bottom Overlay "+" at 827,1547 h80 r90
参数调节: Top Overlay "5" at 2735,1910 h80 r270; Top Overlay "1" at 2635,1890 h80 r270; Top Overlay "4" at 2635,1450 h80 r270; Top Overlay "8" at 2735,1450 h80 r270